# Altium PCB 打样.PcbDoc (part 2 of 2)
Units mil, origin at the board's own origin, x right, y up, seen from the top; angles counter-clockwise.
Board outline 3502.21 x 4542.23 mil, 2 copper layers (Top Layer, Bottom Layer); 65 components, 100 nets, 436 pads, 372 vias.
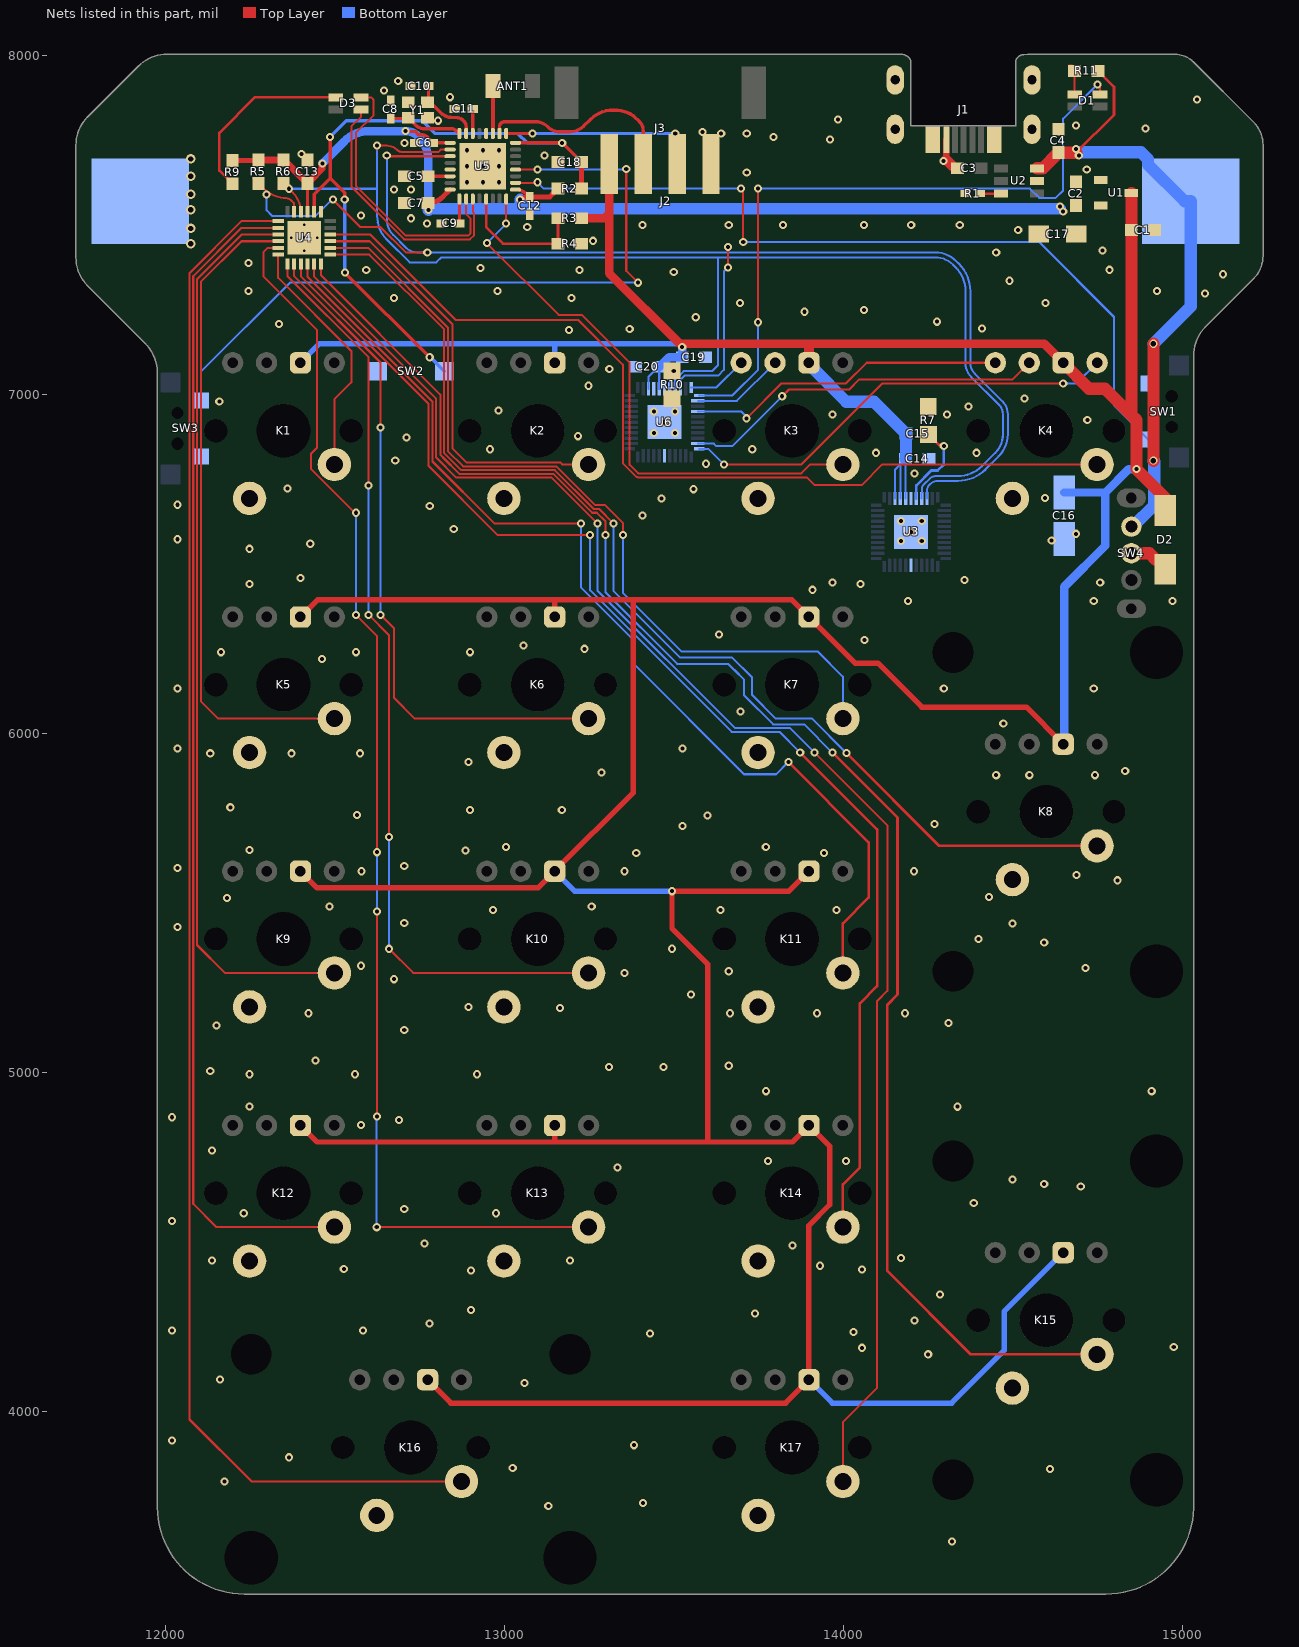
[diagram p2: the nets of this part, all layers, seen from the top]

## Via types
v1: diameter 24, hole 12, Top Layer to Bottom Layer, tented both sides, 344 vias
v2: diameter 24, hole 12, Top Layer to Bottom Layer, tented bottom, 9 vias
v3: diameter 28, hole 16, Top Layer to Bottom Layer, tented both sides, 6 vias
v4: diameter 24, hole 12, Top Layer to Bottom Layer, tented top, 5 vias
v5: diameter 19.68, hole 7.87, Top Layer to Bottom Layer, tented both sides, 4 vias
v6: diameter 24, hole 16, Top Layer to Bottom Layer, tented both sides, 2 vias
v7: diameter 94.49, hole 94.49, Top Layer to Bottom Layer, tented both sides, 1 vias
v8: diameter 24, hole 7.87, Top Layer to Bottom Layer, tented both sides, 1 vias

## Nets (pads, with @x,y where several pads share a name; then routed paths per layer and width w, separated by ;. In a path a pad name is that pad's centre, name@x,y a point inside that pad or via, vN(x,y) a via of type N, cw(c..) or ccw(c..) an arc to the next point about the centre after c; other vN are vias at no path point) (continued)
CH47: K3.2 U6.2 | length 274.3
  Bottom Layer w6: U6.2@13571.18,6981.42 13686.47,6981.42 K3.2@13798.89,7093.83
CH48: K3.3 U6.44 | length 177.6
  Bottom Layer w6: U6.44@13551.5,7020.79 13625.84,7020.79 K3.3@13698.89,7093.83
CH49: K4.1 U6.11 | length 1317
  Top Layer w6: v1(13648.08,6793.83) 13876.9,6793.83 14115.74,7032.68 v1(14648.89,7032.68)
  Bottom Layer w6: U6.11@13575.12,6839.69 13602.22,6839.69 v1(13648.08,6793.83) ; v1(14648.89,7032.68) 14687.73,7032.68 K4.1@14748.89,7093.83
CH50: K4.2 U6.10 | length 1082.6
  Top Layer w6: v1(13820,6995) 13840,7015 14017.55,7015 14047.55,7045 14500.05,7045 K4.2@14548.89,7093.83
  Bottom Layer w6: U6.10@13571.18,6855.44 13618.42,6855.44 13625.84,6848.02 13673.02,6848.02 v1(13820,6995)
CH51: K4.3 U6.4 | length 956.1
  Top Layer w6: v1(13715,6930) 13817.68,7032.68 14007.68,7032.68 14068.83,7093.83 K4.3@14448.89,7093.83
  Bottom Layer w6: U6.4@13571.18,6949.93 13698.89,6949.93 13715,6933.82 v1(13715,6930)
COL0: K14.5 U4.9 | length 3830.7
  Top Layer w6: U4.9@12399.9,7385.4 12399.9,7349.33 12776.54,6972.69 12776.54,6789.43 12979.85,6586.12 v1(13253.43,6586.12)
  Top Layer w8: v1(13873.07,5943.86) 14100,5716.93 14100,5255 14048.89,5203.89 14048.89,4720 13998.89,4670 K14.5@13998.89,4543.8
  Bottom Layer w6: v1(13253.43,6586.12) 13253.43,6422.19 13670.71,6004.91 13812.02,6004.91 v1(13873.07,5943.86)
COL1: K11.5 U4.10 | length 3085.9
  Top Layer w6: U4.10@12419.6,7385.4 12419.6,7348 12788.37,6979.23 12788.37,6802.66 12971.02,6620.01 v1(13226.21,6620.01)
  Top Layer w8: v1(13838.21,5916.02) 14075,5679.23 14075,5516.11 13998.89,5440 K11.5@13998.89,5293.86
  Bottom Layer w6: v1(13226.21,6620.01) 13226.21,6431 13381.49,6275.72 13381.49,6205.79 13707.28,5880 13802.18,5880 v1(13838.21,5916.02)
COL2: K17.5 U4.11 | length 4606
  Top Layer w6: U4.11@12439.3,7385.4 12439.3,7347.77 12799.37,6987.7 12799.37,6814.37 12858.74,6755 13140.01,6755 v1(13275,6620.01) ; v1(13915.53,5943.86) 14130,5729.39 14130,5241.09 14100,5211.09 14100,4070 13998.89,3968.89 K17.5@13998.89,3793.81
  Bottom Layer w6: v1(13275,6620.01) 13275,6422.11 13681.2,6015.91 13843.48,6015.91 v1(13915.53,5943.86)
COL3: K15.5 U4.12 | length 4720.7
  Top Layer w6: U4.12@12459,7385.4 12459,7352.63 12811.63,7000 12811.63,6822.75 12819.46,6814.93 12819.46,6814.46 12867.91,6766 13144.57,6766 13259.25,6651.32 13273.37,6651.32 13298.86,6625.83 v1(13298.86,6586.12)
  Top Layer w8: v1(13967.89,5943.86) 14160,5751.74 14160,5230 14130,5200 14130,4415 14376.19,4168.81 K15.5@14748.89,4168.81
  Bottom Layer w6: v1(13298.86,6586.12) 13298.86,6416.88 13509.95,6205.79 13660.23,6205.79 13678.66,6187.36 13679.27,6187.36 13707.63,6159 13707.63,6112.37 13793.09,6026.91 13884.84,6026.91 v1(13967.89,5943.86)
COL4: K8.5 U4.13 | length 3345.4
  Top Layer w6: U4.13@12486.5,7413 12601.78,7413 12822.63,7192.15 12822.63,6827.31 12872.94,6777 13149.12,6777 13263.81,6662.32 13280.07,6662.32 13321.9,6620.48 v1(13321.9,6620.01)
  Top Layer w8: v1(14009.49,5942.68) 14283.31,5668.86 K8.5@14748.89,5668.86
  Bottom Layer w6: v1(13321.9,6620.01) 13321.9,6421.4 13518.3,6225 13671.53,6225 13731,6165.53 13731,6114 13801.14,6043.86 13908.31,6043.86 v1(14009.49,5942.68)
COL5: K7.5 U4.14 | length 2495
  Top Layer w6: U4.14@12486.5,7432.7 12598.76,7432.7 12833.63,7197.82 12833.63,6833.14 12878.77,6788 13153.68,6788 13267.94,6673.74 13297.85,6673.74 13350,6621.59 v1(13350,6586.12)
  Bottom Layer w6: v1(13350,6586.12) 13350,6415.09 13522.38,6242.72 13924.22,6242.72 13998.89,6168.05 K7.5@13998.89,6043.86
COL6: K2.5 U4.15 | length 1249.9
  Top Layer w6: U4.15@12486.5,7452.3 12602.7,7452.3 12846.9,7208.1 12846.9,6841.43 12888.34,6800 13165,6800 13171.17,6793.83 K2.5@13248.86,6793.83
COL7: K4.5 U4.16 | length 2764.4
  Top Layer w6: U4.16@12486.5,7472 12605.55,7472 12857.55,7220 13217.94,7220 13350,7087.94 13350,6797 13390.44,6756.56 13393.44,6756.56 13395,6755 13893.44,6755 13915.77,6732.67 14054.58,6732.67 14115.74,6793.83 K4.5@14748.89,6793.83
COL8: K3.5 U5.8 | length 1672.7
  Top Layer w6: v1(12948.86,7446.6) 13160.46,7235 13228.81,7235 13370,7093.81 13370,6792.56 13395,6767.56 13876.77,6767.56 13903.04,6793.83 K3.5@13998.89,6793.83 ; v1(13005.71,7505) U5.8@13005.71,7577.09
  Bottom Layer w6: v1(12948.86,7446.6) 13005.71,7503.45 v1(13005.71,7505)
GLED: D3.2 U5.3 | length 791.9
  Top Layer w6: D3.2@12577.4,7841.33 12569.11,7841.33 12577.74,7832.71 12577.74,7819.92 12548.87,7791.05 12548.87,7613.66 12704.92,7457.6 12898.36,7457.6 12911,7470.25 12911,7534.64 12907.28,7538.36 U5.3@12907.28,7577.09
GND: C1.1 C2.1 C3.1 C4.1 C5.2 C6.2 C7.1 C8.2 C9.2 C10.2 C11.2 C12.1 C13.1 C14.1 C15.1 C16.2 C17.2 C18.1 C19.1 C20.1 J1.5 J2.2 J3.4 K1.4 K2.4 K3.4 K4.4 K5.4 K6.4 K7.4 K8.4 K9.4 K10.4 K11.4 K12.4 K13.4 K14.4 K15.4 K16.4 K17.4 R1.1 R4.1 R7.1 R10.1 SW1.2 SW2.2 SW3.2 U1.1 U2.2 U3.17 U3.39 U3.45 U4.19 U4.25 U5.20 U5.29 U5.33 U6.17 U6.37 U6.39 U6.45 Y1.3 | length 102.8
  Top Layer w20: v1@14304.09,7692.67 J1.5@14304.09,7751.69 ; C3.1@14321.66,7675.1 14329.94,7675.1 C3.1@14337.44,7667.6
  Top Layer w30: v1@14304.09,7692.67 C3.1@14321.66,7675.1
  other v1: 14321.42,3616.87 13130,3721.65 13408.94,3730 12175,3793.81 14610,3830 13025,3833.18 12365,3864.94 13382.57,3900.71 12020,3914.23 13060,4084.06 12161.06,4095 14250.71,4168.81 14055.37,4188.01 14975,4189.92 13430,4230.07 14030,4235.12 12020,4239.35 12583.67,4239.35 12780,4260 14210,4268.81 13740,4289.23 12901.72,4300 14285,4345 12901.72,4415.97 14055.37,4418.8 12526.7,4420 13930.98,4430 12138.31,4445 13193.89,4445 14170,4453.06 13850,4490.03 12765,4495.59 12020,4562.32 12231.62,4585 12976.09,4585 12705,4597.58 14385,4614.93 14700.67,4664.22 14592.86,4670.8 14498.89,4684.64 13334.22,4720 13777.88,4738.81 14008.05,4738.81 12138.31,4770 12577.74,4845 12690,4859.55 12020,4868.03 14336.82,4899.27 12248.87,4900 13772.15,4945 14910,4945 12248.87,4995 12559.43,4995 12919.27,4995 12132.78,5005 13309.43,5016.78 13470,5016.78 13662.37,5020 12443.21,5035 12705,5125 12151.2,5138.89 14310.95,5145.64 12423.09,5175 13666.15,5175 13923.11,5175 14182.15,5175 13164.61,5190 12895.01,5193.86 13550.52,5230 12675,5275.37 13355,5293.86 13662.37,5298.86 14715,5308.27 12577.74,5314.96 13495,5365.21 14592.86,5383.29 14398.89,5393.86 12036.1,5429.22 14498.89,5440 12705,5441.3 12967.4,5480 13638.32,5480 13979.98,5480 12484.46,5490 13258.02,5490 12182.02,5515 14429.98,5517.4 14809.45,5567.13 14688.49,5582.4 12578.94,5593.86 13355,5593.86 14208.82,5593.86 12036.1,5603.64 12705,5609.61 13389.37,5647.82 13943.21,5647.82 12885.71,5655 12248.87,5656.99 13005,5664.9 13771.65,5664.9 13526.28,5726.87 14269.61,5733.5 13600,5758.29 12565.96,5760 12898.86,5774.73 13169.86,5774.73 12191.9,5782.5 14451.29,5877.16 14548.89,5877.16 14742.43,5877.16 13286.66,5885.25 14831.85,5890 12895.01,5916.02 12132.78,5941.73 12372.04,5941.73 12575,5941.73 12036.1,5955.47 13526.28,5955.47 14472.25,6029.45 13696.74,6065.5 12036.1,6133.29 14296.74,6133.29 14739.1,6133.29 12462.37,6220 12164.34,6240 12562.51,6240 12898.86,6240 13236.35,6250 13056.85,6260 14063.06,6275.7 13633.97,6292.23 14190.74,6390.59 14739.02,6390.59 14971.05,6390.59 13909.27,6424.11 12248.88,6441.41 14050.93,6440.82 13967.89,6445.57 14758.05,6445.57 14357.52,6452.92 12398.88,6459.4 12248.87,6545 12427.76,6560 14170.08,6568.34 14231.74,6568.34 14615,6570 12036.1,6573.26 14687.15,6589.29 14200.01,6595 12851.18,6603.14 14170.08,6626.5 14231.74,6626.5 13407.91,6643.04 12780.24,6671.06 12036.1,6675 13464.02,6693.83 14595,6695 13558.86,6720.84 12361.1,6723.12 14209.98,6767.56 13595,6795.94 12678.46,6805.77 14096.79,6828.25 14393.26,6828.25 12957.77,6838.68 13731.62,6838.68 12711.5,6873.85 13217.94,6877.17 14720,6924.73 13967.89,6941.27 14305.98,6941.27 12983.23,6953.01 14369.67,6964.84 12159.5,6979.23 14534.51,6988.01 13248.86,7026 13309.98,7074.93 13191.23,7190 13370.17,7193.12 14409.45,7194.8 12335.38,7208.1 14277,7215 13565,7228.16 13886.21,7244.29 14061,7250 13695.02,7270 14597.16,7270 12675,7285 13198.31,7285 15067.6,7298.48 14925.18,7305 12245.19,7306.01 12979.85,7306.01 14490,7335.74 15120,7355 13500,7362.09 12593.01,7366.99 13222.13,7366.99 14785.04,7368.07 12929.96,7372.91 12245.19,7388.65 14451.29,7419.37 14765,7425 13261.7,7453.59 14516.15,7485 13067.85,7494.3 13662.37,7500 13822.33,7500 14061,7500 14200.55,7500 14343.73,7500 13407.91,7500.68 12772.42,7505 12725,7520 12577.74,7528.38 12675,7604.65 12725,7604.65 13715.43,7655.13 14718.41,7664.15 14296,7689.25 13119.19,7705.65 12401.62,7709.24 12706,7742.05 13961.49,7752.3 13794.77,7760.16 13640,7770 13715.43,7770 13585,7775 14891.55,7785.06 14687.15,7793.9 12805,7807.93 13984.48,7811.3 15043.9,7870 12840.35,7877.25 12645.13,7896.57 12687.25,7925
  other v2: 12889.57,7626.3 12936.81,7626.3 12984.05,7626.3 12889.57,7673.54 12936.81,7673.54 12984.05,7673.54 12889.57,7720.79 12936.81,7720.79 12984.05,7720.79
  other v3: 12075,7445 12075,7490 12075,7545 12075,7590.32 12075,7644.01 12075,7695
  other v4: 13441.26,6886.93 13504.25,6886.93 13472.76,6918.43 13441.26,6949.93 13504.25,6949.93
  other v5: 12410,7424.21 12371.81,7462.4 12448.19,7462.4 12410,7500.59
  other v8: 12410,7462.4
LED: D1.3 U6.1 | length 2049.1
  Top Layer w6: v1(13748.76,7213.28) 13748.76,7607.32 v1(13748.89,7607.45) ; v1(14750,7915) 14751.6,7915 14757.4,7909.2 D1.3@14757.4,7885
  Bottom Layer w6: U6.1@13575.12,6997.17 13673.02,6997.17 13748.89,7073.04 13748.89,7213.15 v1(13748.76,7213.28) ; v1(13748.89,7607.45) 14550.33,7607.45 14577.78,7580 14626.88,7580 14648.89,7602 14648.89,7813.89 v1(14750,7915)
NetANT1_1: ANT1.1 U5.19 | length 140
  Top Layer w12: U5.19@12966.34,7770 ANT1.1@12966.34,7910
NetC4_2: C4.2 J2.1 R11.2 SW4.1 U2.3 | length 1880.9
  Top Layer w8: v1@14687.15,7713.6 14798.89,7825.34 14798.89,7907.71 14766.6,7940 14766.6,7941.5 14753.1,7955 R11.2@14751.6,7955
  Top Layer w36: U2.3@14571.3,7667.6 14588.99,7667.6 14634,7712.6 14634.5,7712.6 14635,7713.1 C4.2@14635,7713.6 v1@14687.15,7713.6 ; v6(14915,6805) v6(14915,7149.82)
  Bottom Layer w36: v1@14693.21,7715 14878.21,7715 14899.3,7693.91 14899.3,7677.98 15007.28,7570 J2.1@15025,7570 15025,7259.82 v6(14915,7149.82) ; SW4.1@14850,6610.4 14854.01,6610.4 14917.31,6673.69 14917.31,6802.69 v6(14915,6805)
  other v1: 14695,7705 14687.15,7723.97
NetC5_1: C5.1 U5.30 | length 65.4
  Top Layer w10: C5.1@12775,7644.01 U5.30@12840.35,7644.01
NetC8_1: C8.1 U5.24 Y1.2 | length 220.8
  Top Layer w10: C8.1@12665,7814.5 12711.5,7814.5 ccw(c12711.5,7821.52) Y1.2@12716.46,7816.56 12718.43,7816.56 12730.16,7804.82 12730.16,7802.93 12737,7796.09 ccw(c12766.18,7825.27) 12766.18,7784 12844.13,7784 cw(c12844.13,7765.22) 12847.74,7783.65 cw(c12844.13,7765.22) 12857.41,7778.5 cw(c12822.47,7724.56) U5.24@12867.91,7770
NetC9_1: C9.1 U5.1 | length 72.1
  Top Layer w10: C9.1@12867.91,7505 U5.1@12867.91,7577.09
NetC10_1: C10.1 U5.23 Y1.1 | length 213.3
  Top Layer w10: C10.1@12776.54,7910 12776.54,7869.07 cw(c12766.3,7869.07) Y1.1@12773.54,7861.83 cw(c12773.54,7839.8) 12789.12,7855.38 12813.29,7831.21 ccw(c12846.9,7864.83) 12831.86,7819.73 ccw(c12846.9,7864.83) 12846.9,7817.29 12857.41,7817.29 cw(c12857.41,7785.34) 12880,7807.93 cw(c12861.66,7789.59) 12887.6,7789.59 U5.23@12887.6,7770
NetC11_1: C11.1 U5.22 | length 72.7
  Top Layer w10: U5.22@12907.28,7770 C11.1@12907.28,7842.68
NetD1_0: D1.0 R11.1 | length 78.2
  Top Layer w6: R11.1@14666.6,7971 R11.1@14674.85,7971 ; D1.0@14682.6,7885 R11.1@14682.6,7955
NetD2_1: D2.1 SW4.2 | length 127.4
  Top Layer w36: SW4.2@14850,6531.66 14903.34,6531.66 14922.72,6512.28 14936.5,6512.28 14950,6498.78 D2.1@14950,6485
NetD3_0: D3.0 R9.1 | length 553.9
  Top Layer w8: R9.1@12198.58,7621.89 12198.58,7623.39 12185.08,7636.89 12183.58,7636.89 12159.5,7660.97 12159.5,7771.64 12265.11,7877.25 12502.12,7877.25 D3.0@12502.6,7876.77
NetR1_2: R1.2 U2.6 | length 58.6
  Top Layer w8: R1.2@14406.44,7592.8 U2.6@14465,7592.8
NetR7_2: R7.2 U3.40 | length 259.4
  Top Layer w8: R7.2@14251,6882.54 14282.59,6850.95 14293.8,6850.95 v1(14296.74,6848.02)
  Bottom Layer w8: U3.40@14215.74,6693.42 14215.74,6732.16 14259.63,6776.05 14278.76,6776.05 14296.74,6794.03 v1(14296.74,6848.02)
NetR10_2: R10.2 U6.40 | length 57.9
  Bottom Layer w6: U6.40@13488.5,7016.85 13488.5,7053.62 13500,7065.13 v1(13500,7070)
RLED: D3.3 U5.2 | length 824.4
  Top Layer w6: D3.3@12577.4,7876.77 12607.3,7876.77 12615,7869.07 12615,7824.24 12562.51,7771.75 12562.51,7615.57 12709.48,7468.6 12893.8,7468.6 12900,7474.8 12900,7520 12887.6,7532.4 U5.2@12887.6,7577.09
ROW0: K6.5 U4.8 | length 2001.7
  Top Layer w6: U4.8@12380.2,7385.4 12380.2,7349.33 12635,7094.53 v1(12635,6902.68) ; v1(12635,6350) 12675,6310 12675,6105 12736.14,6043.86 K6.5@13248.86,6043.86
  Bottom Layer w6: v1(12635,6350) v1(12635,6902.68)
ROW1: K10.5 U4.7 | length 2762.7
  Top Layer w6: U4.7@12360.6,7385.4 12360.6,7349.33 12600,7109.93 v1(12600,6732.16) ; v1(12600,6350) 12660,6290 v1(12660,5695) ; v1(12660,5365) 12731.14,5293.86 K10.5@13248.86,5293.86
  Bottom Layer w6: v1(12600,6350) v1(12600,6732.16) ; v1(12660,5365) v1(12660,5695)
ROW2: K1.5 U4.6 | length 729.3
  Top Layer w6: U4.6@12333,7413 12333,7344.34 12548.87,7128.48 12548.87,7035.82 12498.87,6985.82 K1.5@12498.87,6793.83
ROW3: K13.5 U4.5 | length 3706.5
  Top Layer w6: U4.5@12333,7432.7 12302.66,7432.7 12289.32,7419.36 12289.32,7348.87 12448.19,7190 12448.19,6843.89 12430.4,6826.11 12430.4,6779.97 12559.06,6651.32 v1(12562.84,6651.32) ; v1(12562.51,6350) 12625,6287.51 v1(12625,5650) ; v1(12623.89,4543.8) K13.5@13248.86,4543.8 ; v1(12625,4870) v1(12625,5475)
  Bottom Layer w6: v1(12562.51,6350) 12562.84,6350.32 v1(12562.84,6651.32) ; v1(12623.89,4543.8) 12623.89,4868.89 v1(12625,4870) ; v1(12625,5475) v1(12625,5650)
ROW4: K5.5 U4.4 | length 1930.1
  Top Layer w6: U4.4@12333,7452.3 12225,7452.3 12105,7332.3 12105,6095 12156.14,6043.86 K5.5@12498.88,6043.86
ROW5: K9.5 U4.3 | length 2697.5
  Top Layer w6: U4.3@12333,7472 12225,7472 12093.63,7340.63 12093.63,7093.83 12093.63,5376.37 12176.14,5293.86 K9.5@12498.88,5293.86
ROW6: K12.5 U4.2 | length 3490.9
  Top Layer w6: U4.2@12333,7491.7 12225,7491.7 12082.63,7349.33 12082.63,7093.83 12082.63,4612.37 12151.2,4543.8 K12.5@12498.87,4543.8
ROW7: K16.5 U4.1 | length 4584.5
  Top Layer w6: U4.1@12333,7511.4 12224.7,7511.4 12071.63,7358.33 12071.63,7100 12071.63,3976.55 12254.37,3793.81 K16.5@12873.89,3793.81
RST: C18.2 R2.1 SW2.1 U4.20 U5.16 | length 1978.9
  Top Layer w10: U4.20@12439.3,7539 12439.3,7590.76 12486.5,7637.96 ; v1(12486.5,7760.02) 12486.5,7637.96 ; v1(12529.35,7575) 12529.35,7595.11 12486.5,7637.96 ; v1(12530,7360) 12530.13,7360 v1(12780.13,7110) ; U5.16@13033.27,7742.44 v1(13170.96,7742.44) 13213.51,7699.89 13213.51,7698.39 13226.01,7685.89 C18.2@13227.51,7685.89
  Top Layer w15: R2.1@13227.51,7607.45 C18.2@13227.51,7685.89
  Bottom Layer w10: v1(12486.5,7760.02) 12534.41,7807.93 12758.61,7807.93 12796.54,7770 13040,7770 13067.56,7742.44 v1(13170.96,7742.44) ; v1(12529.35,7575) 12530,7574.35 v1(12530,7360) ; v1(12780.13,7110) 12782.48,7110 SW2.1@12823.43,7069.06
SCL: R5.1 U3.42 U4.23 U5.27 U6.42 | length 4360.6
  Top Layer w6: R5.1@12259,7639.11 12260.5,7639.11 12275,7624.61 R5.1@12275,7623.11 12289.32,7608.79 ccw(c12360.03,7679.51) 12348.87,7580.13 12350.82,7580.13 cw(c12350.82,7547.87) 12356.89,7579.55 cw(c12350.82,7547.87) 12373.63,7570.68 12377.29,7567.03 cw(c12370.26,7560) 12380.2,7560 U4.23@12380.2,7539 ; v1(12495,7575) 12575.7,7494.3 12634.79,7494.3 12709.72,7419.37 v1(12773.02,7419.37) ; v1(12653.53,7705.65) ccw(c12659.75,7711.87) 12659.75,7703.07 U5.27@12840.35,7703.07 ; v1(13660,7375) v1(13660,7435)
  Bottom Layer w6: v1(12298.87,7590.32) 12298.87,7543.55 12315,7527.42 12443.92,7527.42 12491.5,7575 v1(12495,7575) ; v1(12653.53,7705.65) 12653.53,7516.78 ccw(c12718.46,7516.78) 12672.55,7470.86 12710.32,7433.09 ccw(c12743.45,7466.21) 12742.11,7419.39 ccw(c12743.45,7466.21) 12743.45,7419.37 v1(12773.02,7419.37) 13660,7419.37 ; U6.42@13520,7016.85 13520,7044.27 13531.76,7056.03 13631.07,7056.03 13648.08,7073.04 13648.08,7363.08 v1(13660,7375) ; v1(13660,7435) 13660,7419.37 ; U3.42@14247.24,6693.42 14247.24,6710.97 ccw(c14235.77,6710.97) 14247.24,6711.09 14247.24,6718.4 cw(c14267.77,6718.4) 14253.26,6732.91 14256.93,6736.58 cw(c14278.74,6714.77) 14278.74,6745.62 14338.83,6745.62 ccw(c14338.83,6859.98) 14419.7,6779.11 14458.67,6818.09 ccw(c14394.1,6882.66) 14485.42,6882.66 14485.42,6942.16 ccw(c14431.68,6942.16) 14469.68,6980.16 14388.43,7061.41 cw(c14420.86,7093.83) 14375,7093.83 14375,7304.85 ccw(c14260.63,7304.85) 14341.5,7385.72 14334.04,7393.18 ccw(c14270.82,7329.96) 14270.82,7419.37 13660,7419.37
SDA: R6.1 U3.41 U4.22 U5.26 U6.41 | length 3959.9
  Top Layer w6: v1(12364.87,7607.11) 12376.53,7595.45 cw(c12320.04,7539) U4.22@12399.9,7539 ; v1@12625.02,7722.78 v1(12625.02,7734.41) 12654.4,7734.41 cw(c12654.4,7694.69) 12682.48,7722.78 ccw(c12701.26,7741.55) 12701.26,7715 12805,7715 12812.76,7722.76 U5.26@12840.35,7722.76
  Bottom Layer w6: v1(12364.87,7607.11) 12625,7607.11 ; v1(12625.02,7734.41) 12625.02,7695.02 12625,7607.11 ; U6.41@13504.25,7016.85 13504.44,7017.04 13504.44,7044.27 13529.23,7069.06 13612.89,7069.06 13631.07,7087.23 13631.07,7405 ; U3.41@14231.49,6693.42 14231.49,6706.82 cw(c14268.71,6706.82) 14231.74,6711.09 14231.74,6722.02 cw(c14247.46,6722.02) 14236.34,6733.13 14256.93,6753.73 cw(c14270.14,6740.51) 14270.14,6759.2 14338.04,6759.2 ccw(c14338.04,6859.2) 14408.75,6788.49 14448.51,6828.25 ccw(c14394.1,6882.66) 14471.05,6882.66 14471.05,6942.16 ccw(c14431.68,6942.16) 14459.52,6970 14378.27,7051.25 cw(c14420.86,7093.83) 14360.63,7093.83 14360.63,7304.85 ccw(c14260.63,7304.85) 14331.34,7375.56 14323.89,7383.02 ccw(c14270.82,7329.96) 14270.82,7405 13631.07,7405 ; 12625,7607.11 12625,7527.42 ccw(c12725,7527.42) 12654.29,7456.71 12721,7390 12800,7390 12815,7405 13631.07,7405
SENSE: R3.1 R4.2 U5.5 | length 390.1
  Top Layer w8: U5.5@12946.65,7577.09 12946.65,7494.3 12995.95,7445 R4.2@13158.51,7445 R3.1@13158.51,7520
SW0: SW1.1 U5.10 | length 2423.1
  Top Layer w6: U5.10@13033.27,7624.33 13096.32,7624.33 v1(13098.29,7626.3) ; v1(13698.89,7607.45) 13698.89,7602.58 13705,7596.46 v1(13705,7450)
  Bottom Layer w6: v1(13098.29,7626.3) 13117.14,7607.45 v1(13698.89,7607.45) ; v1(13705,7450) 14577.78,7450 14798.89,7228.89 14798.89,6968.44 SW1.1@14900,6867.33
SW1: SW3.1 U5.12 | length 2160
  Top Layer w6: U5.12@13033.27,7663.7 v1(13098.29,7663.7) ; v1(13360,7665) 13360,7365 v1(13395,7330)
  Bottom Layer w6: SW3.1@12105,6982.67 12105,7067 12368,7330 v1(13395,7330) ; v1(13098.29,7663.7) 13358.7,7663.7 v1(13360,7665)
SWDCLK: J3.3 U5.17 | length 591.3
  Top Layer w10: U5.17@13005.71,7770 v1(13083.66,7770) ; v1(13504.44,7770) 13504.44,7685.21 J3.3@13509.97,7679.68
  Bottom Layer w10: v1(13083.66,7770) v1(13504.44,7770)
SWDIO: J3.2 U5.18 | length 607.8
  Top Layer w10: U5.18@12986.02,7770 12986.02,7790 cw(c13000.57,7790) 12990.28,7800.28 cw(c13001.67,7788.9) 13001.67,7805 13091.93,7805 cw(c13091.93,7753.79) 13128.15,7790 ccw(c13164.36,7826.21) 13164.36,7775 13179,7775 ccw(c13179,7847.08) 13188.18,7775.59 13194.15,7775.59 ccw(c13194.15,7833.37) 13235.01,7792.51 13253.8,7811.3 cw(c13321.14,7743.96) 13321.14,7839.19 13325.44,7839.19 cw(c13325.44,7739.19) 13382.21,7821.52 13399.17,7804.55 cw(c13373.12,7778.5) 13409.97,7778.5 J3.2@13409.97,7679.68
Vbat: C1.2 C14.2 C15.2 C16.1 C19.2 C20.2 D2.2 J3.1 K1.0 K2.0 K3.0 K4.0 K5.0 K6.0 K7.0 K8.0 K9.0 K10.0 K11.0 K12.0 K13.0 K14.0 K15.0 K16.0 K17.0 R3.2 U1.3 U3.36 U3.37 U3.38 U6.36 U6.38 | length 16817.2
  Top Layer w16: K12.0@12398.87,4843.8 12447.67,4795 13148.88,4795 13600,4795 ; K9.0@12398.88,5593.86 12447.74,5545 13100,5545 K10.0@13148.86,5593.86 13380,5825 13380,6395 ; K5.0@12398.88,6343.86 12450.02,6395 13148.88,6395 13380,6395 ; K16.0@12773.89,4093.81 12842.7,4025 13830.07,4025 K17.0@13898.89,4093.81 13880.17,4112.52 13898.89,4112.52 13898.89,4548.89 13960,4610 13960,4782.69 K14.0@13898.89,4843.8 13850.08,4795 13600,4795 ; 13148.86,4795.02 K13.0@13148.86,4843.8 ; K6.0@13148.86,6343.86 13148.86,6394.97 ; K11.0@13898.89,5593.86 13840.03,5535 v1(13495,5535) 13495,5425 13600,5320 13600,4795 ; K8.0@14648.89,5968.86 14540,6077.74 14232.26,6077.74 14102.28,6207.72 14035.03,6207.72 K7.0@13898.89,6343.86 13847.74,6395 13380,6395
  Top Layer w25: R3.2@13227.51,7520 13295.33,7520 13309.98,7534.64 ; J3.1@13309.98,7679.68 13309.98,7534.64 ; 13517.63,7149.82 13309.98,7357.47 13309.98,7534.64
  Top Layer w26: v1@13525,7149.82 14592.9,7149.82 K4.0@14648.89,7093.83
  Top Layer w30: K3.0@13898.89,7093.83 13898.89,7142.45
  Top Layer w36: K4.0@14648.89,7093.83 14725.26,7017.45 14772.28,7017.45 14850,6939.73 ; U1.3@14850,7595 C1.2@14850,7485 14850,6939.73 ; D2.2@14950,6658.23 14950,6695 v1(14865,6780) 14865,6924.73 14850,6939.73
  Bottom Layer w6: U6.36@13425.51,7016.85 13425.51,7052.01 13455.5,7082 C20.2@13457,7082 ; U3.36@14152.76,6693.42 14152.76,6778.58 14168.26,6794.08 14168.26,6795.58 14168.51,6795.58 U3.37@14168.51,6693.42 ; U3.38@14184.26,6693.42 C14.2@14184.26,6810.08
  Bottom Layer w8: U6.38@13457,7016.85 C20.2@13457,7082
  Bottom Layer w16: K1.0@12398.87,7093.83 12455.03,7150 13148.86,7150 ; K10.0@13148.86,5593.86 13207.72,5535 v1(13495,5535) ; K2.0@13148.86,7093.83 13148.86,7150 ; v1(13525,7140) 13522.84,7140 13512.84,7150 13148.86,7150 ; K17.0@13898.89,4093.81 13967.7,4025 14320,4025 14475,4180 14475,4294.93 K15.0@14648.89,4468.81
  Bottom Layer w25: C20.2@13457,7082 13458.5,7082 13486.5,7110 C19.2@13525,7110 v1(13525,7140) ; K8.0@14648.89,5968.86 14651.98,5971.95 14651.98,6433.02 14773.4,6554.44 14773.4,6711.09 ; C16.1@14651.98,6711.09 14773.4,6711.09 ; v1(14865,6780) 14842.3,6780 14773.4,6711.09
  Bottom Layer w36: K3.0@13898.89,7093.83 13912.38,7080.34 13912.38,7075.83 14009.2,6979.02 14090.98,6979.02 14184,6886 14184,6885.5 14184.5,6885 C15.2@14185,6885 14185,6810.58 14184.5,6810.08 C14.2@14184.26,6810.08
VDD: C2.2 C6.1 C7.2 C12.2 C13.2 C17.1 R2.2 R5.2 R6.2 R9.2 U1.2 U4.21 U5.9 U5.25 U5.32 | length 3249.5
  Top Layer w10: U4.21@12419.6,7539 C13.2@12419.6,7623.11 ; v1(12709.01,7777.27) 12710.17,7776.12 12737.81,7776.12 12747,7766.92 12755.99,7766.92 12756.15,7766.76 cw(c12756.15,7743.75) 12772.42,7760.02 C6.1@12790,7742.44 U5.25@12840.35,7742.44 ; U5.9@13033.27,7604.65 cw(c13033.27,7555.72) C12.2@13067.85,7590.32
  Top Layer w15: R9.2@12198.58,7690.89 12273.77,7690.89 R5.2@12275,7692.11 ; C7.2@12775,7565 ccw(c12775,7627.07) 12818.89,7583.18 U5.32@12840.35,7604.65 ; v1(13047.07,7575) cw(c13066.82,7555.25) 13066.82,7583.18 C12.2@13075,7583.18 ; C12.2@13067.86,7590.31 C12.2@13075,7583.18 ; R2.2@13158.51,7607.45 13157.01,7607.45 13147.01,7597.45 13147.01,7595.95 13134.25,7583.18 C12.2@13075,7583.18
  Top Layer w20: R5.2@12275,7692.11 R6.2@12348.87,7692.11 cw(c12348.87,7687.93) 12351.83,7690.89 C13.2@12419.6,7623.11 12419.6,7624.61 12427.1,7632.11 12428.6,7632.11 12462.61,7666.12 12462.61,7681.24 v1(12463.37,7682)
  Top Layer w35: C7.2@12775,7563.63 C7.2@12775,7565
  Bottom Layer w25: v1(12463.37,7682) 12529.35,7747.98 cw(c12600.06,7677.27) 12600.06,7777.27 v1(12709.01,7777.27) cw(c12709.01,7724.96) 12746,7761.95 cw(c12672.26,7688.21) 12776.54,7688.21 v1(12776.54,7544.6)
  Bottom Layer w35: v1(12776.54,7544.6) cw(c12832.97,7488.18) 12780.13,7547.98 13047.07,7547.98 ; v1(13047.07,7575) 13047.07,7547.98 ; v1@14640,7547.98 13047.07,7547.98
  other v1: 14648.89,7540 14640,7555
pads on no net: ANT1.0 J1.2 J1.3 J1.4 J3.5 J3.6 K1. K2. K3. K4. K5. K6. K7. K8. K9. K10. K11. K12. K13. K14. K15. K16. K17. SW1. SW1.3 SW3. SW3.3 SW4.0 SW4.3 U4.17 U4.18 U5.6 U5.7 U5.11 U5.13 U5.14 U5.15 U5.21 U5.31 U6.5 U6.6 U6.7 U6.8 U6.9 U6.12 U6.13 U6.14 U6.15 U6.16 U6.18 U6.22 U6.24 U6.25 U6.26 U6.27 U6.28 U6.31 U6.35 U6.43
copper on no net:
  other v7: 14871.57,7885

## Polygon pours and split planes (outlines as drawn)
GND on Bottom Layer "Bottom Layer-GND" (solid, pour order 0): 11640,8180 11650,8190 15460,8190 15460,3210 15380,3130 11720,3130
GND on Top Layer "Top Layer-GND" (solid, pour order 2): 11610,8370 15550,8370 15560,8360 15515,8315 15515,2895 11720,2895 11420,3195

## Other copper
Top Layer:
  rectangle net VDD: 14630,7445 14784.51,7580
  pour cut-out: 12900,8005 13145,8005 13145,7906.42 cw(c13045,7906.42) 13115.71,7835.71 13095,7815 12935,7820
Bottom Layer:
  pour cut-out: 12900,8005 13145,8005 13145,7906.42 cw(c13045,7906.42) 13115.71,7835.71 13085.98,7805.98 12914.59,7805.98

## Silkscreen, mask and mechanical layers (free items; w line width, h text height)
Top Overlay:
  lines w10: 14805,7811.3 14805,7837.75 ; 14829,7837.75 14805,7837.75 ; 14902,7811.3 14902,7689.25 14902,7677.15 14915,7664.15 ; 14915,7849.56 14902,7836.56 14902,7760.16 14880.14,7760.16 14805,7835.3 14805,7837.75
  text "红：没电" at 14915,7811.3 h60
  text "蓝：充电" at 14915,7743.19 h60
  text "绿：充满" at 14915,7675 h60
Bottom Overlay:
  rectangle: 11956.14,7160.04 14991.57,7975
  text "复位" at 12810,6920 h99
  text "电源开关" at 14820,6260 h99
Top Solder:
  drawing of 796 lines, arcs and shapes, not listed
Mechanical 1:
  lines w2.76: 11735,7735 cw(c11855.71,7735) 11770.36,7820.36 11919.64,7969.64 cw(c12005,7884.29) 12005,8005 14181.23,8005 ; 11735,7745 11735,7405 ccw(c11855.71,7405) 11770.36,7319.64 11939.64,7150.36 cw(c11854.29,7065) 11975,7065 11975.74,7050 11975.74,3717.49 ccw(c12233.23,3717.49) 12233.23,3460 14774.92,3460 ccw(c14774.92,3720.14) 15035.05,3717.09 ; 14155.97,8005 14170.86,8005 cw(c14170.86,7970.86) 14195,7995 cw(c14181.6,7981.6) 14200.55,7981.6 14200.55,7794.3 ccw(c14201.5,7795.25) 14201.5,7793.9 14507.48,7793.9 14507.48,7981.69 cw(c14526.3,7981.69) 14512.99,7995 14514.58,7996.59 cw(c14532.24,7978.92) 14532.24,8003.9 14545,8005 14980,8005 cw(c14980,7929.42) 15033.44,7982.86 15211.31,7805 cw(c15142.03,7735.73) 15240,7735.73 15240,7410 cw(c15142.03,7410) 15211.31,7340.73 15070.36,7199.78 ccw(c15155.71,7114.42) 15035,7114.42 15035,6995 15035,6430 15035,3714.08

## Text inside footprints (layer, text, board x,y; h text height)
J2: Bottom Overlay "-" at 11741.57,7640 h118.11 r90; Bottom Overlay "+" at 15246.57,7640 h118.11 r180